# KiCad board Quiver_PT3_Main_PCB.kicad_pcb (continued)
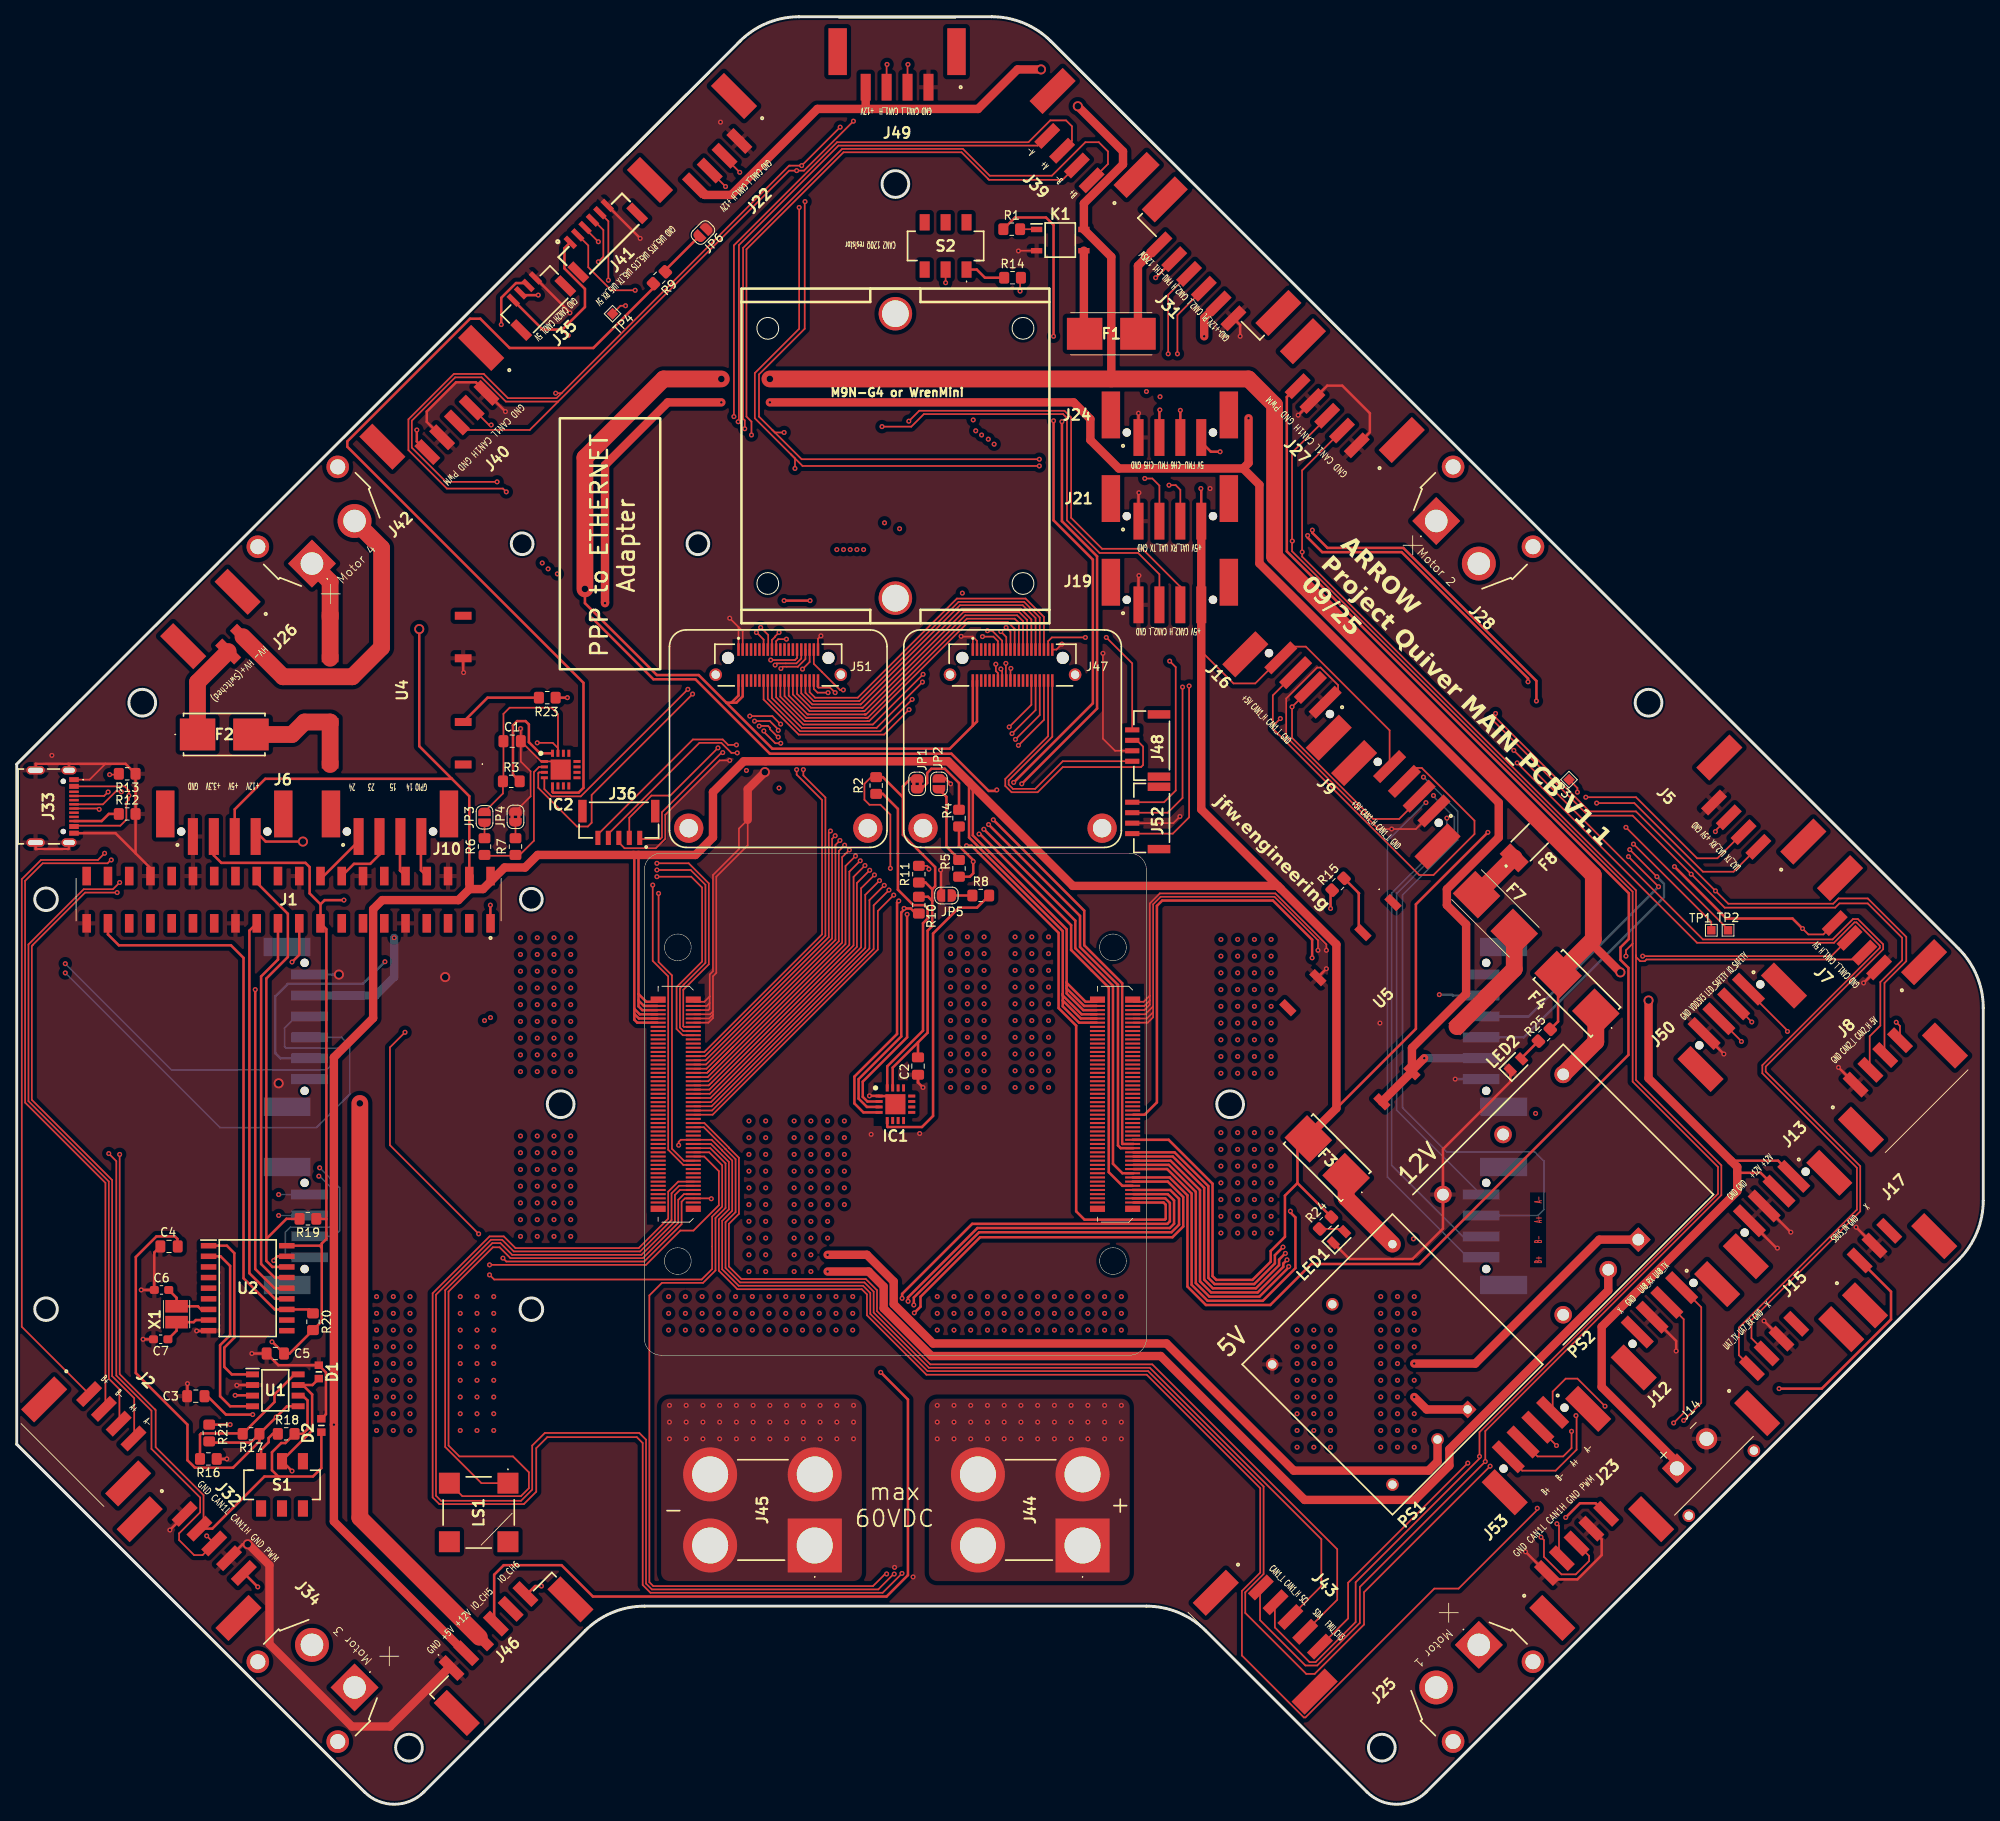
[diagram p0: board, top side]
## Library data of the parts (continued)
J35 J48 J52 = -: Description: JST GH Series, 1.25mm Pitch 4 Way Right Angle PCB Header, Solder Termination, 1A; Mouser Part Number: N/A; Mouser Price/Stock: https://www.mouser.co.uk/ProductDetail/JST-Commercial/SM04B-GHS-TBLFSN?qs=QpmGXVUTftEJzKB1YHGCXw%3D%3D; Manufacturer_Name: JST (JAPAN SOLDERLESS TERMINALS); Manufacturer_Part_Number: SM04B-GHS-TB(LF)(SN)
J36 = -: Datasheet: https://datasheet.datasheetarchive.com/originals/distributors/Datasheets_SAMA/e4ef010dc292ea31091454f6c0afb63a.pdf; Description: JST GH Series, 1.25mm Pitch 5 Way Right Angle PCB Header, Solder Termination, 1A; Mouser Part Number: N/A; Mouser Price/Stock: https://www.mouser.co.uk/ProductDetail/JST-Commercial/SM05B-GHS-TBLFSN?qs=QpmGXVUTftEjojOT4U3d6Q%3D%3D; Manufacturer_Name: JST (JAPAN SOLDERLESS TERMINALS); Manufacturer_Part_Number: SM05B-GHS-TB(LF)(SN)
J41 = -: Datasheet: https://datasheet.datasheetarchive.com/originals/distributors/Datasheets_SAMA/e4ef010dc292ea31091454f6c0afb63a.pdf; Description: GH 1.25mm header side entry 6 way JST GH Series, 1.25mm Pitch 6 Way Right Angle PCB Header, Solder Termination, 1A; Mouser Part Number: N/A; Mouser Price/Stock: https://www.mouser.co.uk/ProductDetail/JST-Commercial/SM06B-GHS-TBLFSN?qs=QpmGXVUTftFzTQe43vH9Ig%3D%3D; Manufacturer_Name: JST (JAPAN SOLDERLESS TERMINALS); Manufacturer_Part_Number: SM06B-GHS-TB(LF)(SN)
J44 J45 = -: Datasheet: https://www.anytek.com.cn/Upload/AMT45003DB-91619770b633481b851135e6d1c1bd28.pdf?fbclid=IwZXh0bgNhZW0CMTEAAR79c1L2mcDs0CoZcBK-E5qsXP_d4Rg51Jntg6nmOemahYpdb-XkfpxHXOJxjQ_aem_dlgVXcx349YY-XU5LhBCmA; Description: Terminals Current (A) : 150AScrew : M5Torque : 15 lbf.in BrassTerminal Part+Steel Nut (plating : matte tin)Pin out :  4PINMount Type : DIP; Height: 10.4; Mouser Part Number: 523-AMT0450003DB000G; Mouser Price/Stock: https://www.mouser.co.uk/ProductDetail/Amphenol-Anytek/AMT0450003DB0000G?qs=ST9lo4GX8V2tfjjMM7mX%252Bw%3D%3D; Manufacturer_Name: Amphenol
J47 J51 = -: Datasheet: http://suddendocs.samtec.com/prints/lshm-1xx-xx.x-xxx-dv-a-x-x-xx-mkt.pdf; Description: 40 Position, 0.50 mm Razor Beam&trade; High-Speed Hermaphroditic Terminal/Socket Strip; Mouser Part Number: 200-LSHM1202.5LDVASK; Mouser Price/Stock: https://www.mouser.co.uk/ProductDetail/Samtec/LSHM-120-02.5-L-DV-A-S-K-TR?qs=PB6%2FjmICvI06Gdv948IynQ%3D%3D; Manufacturer_Name: SAMTEC; Manufacturer_Part_Number: LSHM-120-02.5-L-DV-A-S-K-TR; MF: BotBlox; Description_1: 4 PORT 1G ETHERNET SWITCH MODULE; Package: None; Price: None; SnapEDA_Link: https://www.snapeda.com/parts/BB-GGN-A-1/Botblox/view-part/?ref=snap; MP: BB-GGN-A-1; Availability: In Stock; Check_prices: https://www.snapeda.com/parts/BB-GGN-A-1/Botblox/view-part/?ref=eda
JP1 JP4 = -: Description: Solder Jumper, 2-pole, closed/bridged; ki_fp_filters: SolderJumper*Bridged*
JP2 JP3 JP5 JP6 = -: Description: Solder Jumper, 2-pole, open; ki_fp_filters: SolderJumper*Open*
K1 = -: Description: SPST-NO Solid State Relay Solder 1 A, 750 mA dc Surface Mount, AC/DC MOSFET; Height: 2.184; Mouser Part Number: 849-CPC1019N; Mouser Price/Stock: https://www.mouser.co.uk/ProductDetail/IXYS-Integrated-Circuits/CPC1019N?qs=OpMkDkHXivODOFSk3K4MqQ%3D%3D; Manufacturer_Name: LITTELFUSE
LED1 LED2 = -: Datasheet: https://componentsearchengine.com/Datasheets/1/APT2012LVBC_D.pdf; Description: Standard LEDs - SMD 2.0X1.2MM LOW CRNT; Height: 0.85; Mouser Part Number: 604-APT2012LVBCD; Mouser Price/Stock: https://www.mouser.co.uk/ProductDetail/Kingbright/APT2012LVBC-D?qs=6oMev5NRZMGErJYT6KZLXg%3D%3D; Manufacturer_Name: Kingbright; Manufacturer_Part_Number: APT2012LVBC/D
LS1 = -: Datasheet: https://www.sameskydevices.com/product/resource/cmt-8530s-smt-tr.pdf; Description: 8.5 mm, 3.6 Vo-p, 90 dB, Surface Mount (SMT), Magnetic Audio Transducer Buzzer; Height: 3.5; Mouser Part Number: 490-CMT-8530S-SMT-TR; Mouser Price/Stock: https://www.mouser.co.uk/ProductDetail/Same-Sky/CMT-8530S-SMT-TR?qs=qCxwlXJ4fnxl6A4lXsnRBQ%3D%3D; Manufacturer_Name: Same Sky
PS1 = -: Datasheet: https://recom-power.com/pdf/Econoline/REC20K-Z.pdf; Description: 20W DC/DC-Converter \'ECONOLINE\' 1"x1" 2kV reg 4:1; Manufacturer_Name: RECOM Power
PS2 = -: Datasheet: https://recom-power.com/pdf/Econoline/REC30K(-Z).pdf; Description: 30W DC/DC-Converter \'ECONOLINE\' 1"x1" 2kV reg 4:1; Manufacturer_Name: RECOM Power
R1-R6 R15 R23 = -: Description: Resistor; ki_fp_filters: R_*
R7 = -: Description: Resistor; ALTIUM_VALUE: 0R; MFR: Yageo; MPN: RC0805FR-070RL; SUPPLIER: Mouser; SUPPLIER PART NUMBER: 603-RC0805FR-070RL; PRICE: 0.1; ki_fp_filters: R_*
R8 R10 R11 = -: Description: Resistor; ALTIUM_VALUE: 10K; MFR: Yageo; MPN: RC0805FR-0710KL; SUPPLIER: Mouser; SUPPLIER PART NUMBER: 603-RC0805FR-0710KL; PRICE: 0.1; ki_fp_filters: R_*
R9 R14 R18 = -: Description: Resistor; ALTIUM_VALUE: 120; MFR: Yageo; MPN: RC0805FR-07120RL; SUPPLIER: Mouser; SUPPLIER PART NUMBER: 603-RC0805FR-07120RL; PRICE: 0.1; ki_fp_filters: R_*
R12 R13 R24 R25 = -: Description: Resistor, small symbol; ki_fp_filters: R_*
R16 = -: Description: Resistor; MFR: Yageo; MPN: RC0805FR-070RL; SUPPLIER: Mouser; SUPPLIER PART NUMBER: 603-RC0805FR-070RL; PRICE: 0.1; ki_fp_filters: R_*
R17 R19-R21 = -: Description: Resistor; MFR: Yageo; MPN: RC0805FR-0710KL; SUPPLIER: Mouser; SUPPLIER PART NUMBER: 603-RC0805FR-0710KL; PRICE: 0.1; ki_fp_filters: R_*
S1 S2 = -: Datasheet: https://www.sameskydevices.com/product/resource/supplyframepdf/slw-913535-2a-smt.pdf; Description: 9.1 x 3.5 x 3.5 mm, 2 mm Raised Slide Actuator, Vertical, Surface Mount, Slide Switch; SUPPLIER PART NUMBER: 179-SLW-913535-2ASMT; MFR: CUI Devices; SUPPLIER: Mouser; Height: 5.9; Mouser Part Number: 179-SLW-913535-2ASMT; Mouser Price/Stock: https://www.mouser.co.uk/ProductDetail/Same-Sky/SLW-913535-2A-SMT?qs=1Kr7Jg1SGW948I6fIY1VRA%3D%3D; Manufacturer_Name: Same Sky
TP1-TP4 = -: Description: test point; ki_fp_filters: Pin* Test*
U1 = -: Datasheet: http://www.nxp.com/docs/en/data-sheet/TJA1049.pdf; Description: NXP - TJA1049T/3J - CAN TRANSCEIVER, AEC-Q100, 5MBPS, SOIC-8; SUPPLIER: Mouser; ALTIUM_VALUE: 771-TJA1049T/3J; SUPPLIER PART NUMBER: 771-TJA1049T/3J; MFR: NXP; Height: 1.75; Mouser Part Number: 771-TJA1049T/3J; Mouser Price/Stock: https://www.mouser.co.uk/ProductDetail/NXP-Semiconductors/TJA1049T-3J?qs=y2kkmE52mdONKmiKlplrdw%3D%3D; Manufacturer_Name: NXP
U2 = -: Datasheet: https://datasheet.datasheetarchive.com/originals/distributors/Datasheets-34/DSA-675138.pdf; Description: CAN Controller SPI data filtering SO18; SUPPLIER: Mouser; MFR: Microchip; SUPPLIER PART NUMBER: 579-MCP2515-I/SO; Height: 2.65; Mouser Part Number: 579-MCP2515-I/SO; Mouser Price/Stock: https://www.mouser.co.uk/ProductDetail/Microchip-Technology/MCP2515-I-SO?qs=KwArPi4cUogGDbGnphOvtQ%3D%3D; Manufacturer_Name: Microchip
U4 U5 = -: Datasheet: https://componentsearchengine.com/Datasheets/1/CPC1907B.pdf; Description: IXYS +/-6 A dc SPNO Solid State Relay, DC, Surface Mount MOSFET; Height: 3.556; Mouser Part Number: 849-CPC1907B; Mouser Price/Stock: https://www.mouser.co.uk/ProductDetail/IXYS-Integrated-Circuits/CPC1907B?qs=MxzUEhdSHRZ7Y3dH8lafpQ%3D%3D; Manufacturer_Name: LITTELFUSE
X1 = -: Datasheet: https://datasheet.datasheetarchive.com/originals/distributors/DKDS-17/332078.pdf; Description: NDK 16MHz Crystal Unit +/-50ppm SMD 2-Pin 3.2 x 2.5 x 0.75mm; SUPPLIER PART NUMBER: 344-NX3225GB16MSTRA2; SUPPLIER: Mouser; MFR: NDK; MPN: NX3225GB-16M-STD-CRA-2; Mouser Part Number: 344-NX3225GB16MSTRA2; Mouser Price/Stock: https://www.mouser.co.uk/ProductDetail/NDK/NX3225GB-16M-STD-CRA-2?qs=w%2Fv1CP2dgqqz6Fo69dRGLg%3D%3D; Manufacturer_Name: NDK; Manufacturer_Part_Number: NX3225GB-16M-STD-CRA-2

## Footprints (pads in the part's own frame, mm; a bottom-side part is the same pattern mirrored in y, then rotated)
1812L010DR
  rect 1.78x3.15 smd: 1(-2.615,0) 2(2.615,0)
0154002DR
  rect 4.24x3.81 smd: 1(-3.185,0) 2(3.185,0)
0154005DR
  rect 4.24x3.81 smd: 1(-3.19,0) 2(3.19,0)
1778719
  rect 2.2x5.6 smd: (-7.05,0) (7.05,0)
  round 1 hole 1 unplated: (-5.15,-2.1) (5.15,-2.1)
  rect 1.2x4.4 smd: 1(-3.75,-2.7) 2(-1.25,-2.7) 3(1.25,-2.7) 4(3.75,-2.7)
1778735
  rect 2.2x5.6 smd: (-9.55,2.7) (9.55,2.7)
  round 1 hole 1 unplated: (-7.65,0.6) (7.65,0.6)
  rect 1.2x4.4 smd: 1(-6.25,0) 2(-3.75,0) 3(-1.25,0) 4(1.25,0) 5(3.75,0) 6(6.25,0)
1814919
  rect 2.2x5.6 smd: (-4.6,-4.25) (4.6,-4.25)
  rect 1.2x3.2 smd: 1(-1.25,0) 2(1.25,0)
1814922
  rect 2.2x5.6 smd: (-5.85,-4.25) (5.85,-4.25)
  rect 1.2x3.2 smd: 1(-2.5,0) 2(0,0) 3(2.5,0)
1814935
  rect 2.2x5.6 smd: (-7.1,-4.25) (7.1,-4.25)
  rect 1.2x3.2 smd: 1(-3.75,0) 2(-1.25,0) 3(1.25,0) 4(3.75,0)
1814935#2
  rect 2.2x5.6 smd: (-7.1,-4.25) (7.1,-4.25)
  rect 1.2x3.2 smd: 1(-3.75,0) 2(-1.25,0) 3(1.25,0) 4(3.75,0)
1814948
  rect 2.2x5.6 smd: (-8.35,-4.25) (8.35,-4.25)
  rect 1.2x3.2 smd: 1(-5,0) 2(-2.5,0) 3(0,0) 4(2.5,0) 5(5,0)
1814951
  rect 2.2x5.6 smd: (-9.6,-1.1) (9.6,-1.1)
  rect 1.2x3.2 smd: 1(-6.25,3.15) 2(-3.75,3.15) 3(-1.25,3.15) 4(1.25,3.15) 5(3.75,3.15) 6(6.25,3.15)
AMT0450003DB0000G
  round 6.45 hole 4.3: 1(0,12.5) 1(8.5,12.5) 1(8.5,0)
  rect 6.45x6.45 hole 4.3: 1(0,0)
AXK6S00547YG
  rect 0.75x1.8 smd: 1(-12.5,2.1) 2(-12.5,-2.1) 99(12.5,2.1) 100(12.5,-2.1)
  rect 0.25x1.8 smd: 3(-11.75,2.1) 4(-11.75,-2.1) 5(-11.25,2.1) 6(-11.25,-2.1) 7(-10.75,2.1) 8(-10.75,-2.1) 9(-10.25,2.1) 10(-10.25,-2.1) 11(-9.75,2.1) 12(-9.75,-2.1) 13(-9.25,2.1) 14(-9.25,-2.1) 15(-8.75,2.1) 16(-8.75,-2.1) 17(-8.25,2.1) 18(-8.25,-2.1) 19(-7.75,2.1) 20(-7.75,-2.1) 21(-7.25,2.1) 22(-7.25,-2.1) 23(-6.75,2.1) 24(-6.75,-2.1) 25(-6.25,2.1) 26(-6.25,-2.1) 27(-5.75,2.1) 28(-5.75,-2.1) 29(-5.25,2.1) 30(-5.25,-2.1) 31(-4.75,2.1) 32(-4.75,-2.1) 33(-4.25,2.1) 34(-4.25,-2.1) 35(-3.75,2.1) 36(-3.75,-2.1) 37(-3.25,2.1) 38(-3.25,-2.1) 39(-2.75,2.1) 40(-2.75,-2.1) 41(-2.25,2.1) 42(-2.25,-2.1) 43(-1.75,2.1) 44(-1.75,-2.1) 45(-1.25,2.1) 46(-1.25,-2.1) 47(-0.75,2.1) 48(-0.75,-2.1) 49(-0.25,2.1) 50(-0.25,-2.1) 51(0.25,2.1) 52(0.25,-2.1) 53(0.75,2.1) 54(0.75,-2.1) 55(1.25,2.1) 56(1.25,-2.1) 57(1.75,2.1) 58(1.75,-2.1) 59(2.25,2.1) 60(2.25,-2.1) 61(2.75,2.1) 62(2.75,-2.1) 63(3.25,2.1) 64(3.25,-2.1) 65(3.75,2.1) 66(3.75,-2.1) 67(4.25,2.1) 68(4.25,-2.1) 69(4.75,2.1) 70(4.75,-2.1) 71(5.25,2.1) 72(5.25,-2.1) 73(5.75,2.1) 74(5.75,-2.1) 75(6.25,2.1) 76(6.25,-2.1) 77(6.75,2.1) 78(6.75,-2.1) 79(7.25,2.1) 80(7.25,-2.1) 81(7.75,2.1) 82(7.75,-2.1) 83(8.25,2.1) 84(8.25,-2.1) 85(8.75,2.1) 86(8.75,-2.1) 87(9.25,2.1) 88(9.25,-2.1) 89(9.75,2.1) 90(9.75,-2.1) 91(10.25,2.1) 92(10.25,-2.1) 93(10.75,2.1) 94(10.75,-2.1) 95(11.25,2.1) 96(11.25,-2.1) 97(11.75,2.1) 98(11.75,-2.1)
C_0603_1608Metric_Pad1.08x0.95mm_HandSolder
  rrect 1.075x0.95 smd: 1(-0.863,0) 2(0.863,0)
C_0805_2012Metric_Pad1.18x1.45mm_HandSolder
  rrect 1.175x1.45 smd: 1(-1.038,0) 2(1.038,0)
CMT8530SSMTTR
  rect 2.5x2.5 smd: 1(3.5,-3.5) 2(3.5,3.5) 3(-3.5,3.5) 4(-3.5,-3.5)
CPC1907B
  rect 0.95x2 smd: 1(-8.89,-7.95) 2(-3.81,-7.95) 3(3.81,-7.95) 4(8.89,-7.95) 5(8.89,7.95) 6(3.81,7.95) 7(-3.81,7.95) 8(-8.89,7.95)
DIONC1608X55N
  rect 0.9x1 smd: 1(-0.8,0) 2(0.8,0)
GIGABLOX_NANO_SWITCH_REVA_MODULE_LSHM-120-02.5-L-DV-A-S-K-TR
  round 1.45 hole 1.45 unplated: (-6,0.85) (6,0.85)
  rect 0.3x1.5 smd: 1(-4.75,1.85) 2(-4.75,-1.85) 3(-4.25,1.85) 4(-4.25,-1.85) 5(-3.75,1.85) 6(-3.75,-1.85) 7(-3.25,1.85) 8(-3.25,-1.85) 9(-2.75,1.85) 10(-2.75,-1.85) 11(-2.25,1.85) 12(-2.25,-1.85) 13(-1.75,1.85) 14(-1.75,-1.85) 15(-1.25,1.85) 16(-1.25,-1.85) 17(-0.75,1.85) 18(-0.75,-1.85) 19(-0.25,1.85) 20(-0.25,-1.85) 21(0.25,1.85) 22(0.25,-1.85) 23(0.75,1.85) 24(0.75,-1.85) 25(1.25,1.85) 26(1.25,-1.85) 27(1.75,1.85) 28(1.75,-1.85) 29(2.25,1.85) 30(2.25,-1.85) 31(2.75,1.85) 32(2.75,-1.85) 33(3.25,1.85) 34(3.25,-1.85) 35(3.75,1.85) 36(3.75,-1.85) 37(4.25,1.85) 38(4.25,-1.85) 39(4.75,1.85) 40(4.75,-1.85)
  round 3.5 hole 2.2: MH1(-10.7,-19.5) MH2(10.7,-19.5)
  round 1.5 hole 1: S1(7.475,-1.15) S2(-7.475,-1.15)
LEDC2012X85N
  rect 0.9x1.4 smd: 1(-0.95,0) 2(0.95,0)
M9N-G4-3100
  round 4 hole 3.2: 1(0,17) 1(0,-17)
NX3225GD-STD-CRA-3
  rect 1.5x2.7 smd: 1(-0.95,0) 2(0.95,0)
QFN65P400X400X90-17N
  rect 0.85x0.35 smd: 1(-1.95,0.975) 2(-1.95,0.325) 3(-1.95,-0.325) 4(-1.95,-0.975) 9(1.95,-0.975) 10(1.95,-0.325) 11(1.95,0.325) 12(1.95,0.975)
  rect 0.35x0.85 smd: 5(-0.975,-1.95) 6(-0.325,-1.95) 7(0.325,-1.95) 8(0.975,-1.95) 13(0.975,1.95) 14(0.325,1.95) 15(-0.325,1.95) 16(-0.975,1.95)
  rect 2.4x2.4 smd: 17(0,0)
R_0805_2012Metric_Pad1.20x1.40mm_HandSolder
  rrect 1.2x1.4 smd: 1(-1,0) 2(1,0)
REC20K
  rect 1.5x1.5 hole 1: 1(0,0)
  round 1.5 hole 1: 2(0,5.08) 3(0,12.7) 4(20.32,12.7) 5(20.32,2.54) 6(20.32,-7.62)
REC30K
  rect 2.1x2.1 hole 1.4: 1(0,0)
  round 2.1 hole 1.4: 2(0,5.08) 3(0,12.7) 4(20.32,12.7) 5(20.32,2.54) 6(20.32,-7.62)
SLW9135352ASMT
  rect 1.2x1.95 smd: 1(-2.5,2.825) 2(0,2.825) 3(2.5,2.825) 4(-2.5,-2.825) 5(0,-2.825) 6(2.5,-2.825)
SM04B-GHS-TB
  rect 0.6x1.7 smd: 1(-1.875,0.2) 2(-0.625,0.2) 3(0.625,0.2) 4(1.875,0.2)
  rect 1x2.7 smd: MP(-3.725,-3) MP(3.725,-3)
SM05B-GHS-TB
  rect 0.6x1.7 smd: 1(-2.5,0.2) 2(-1.25,0.2) 3(0,0.2) 4(1.25,0.2) 5(2.5,0.2)
  rect 1x2.7 smd: MP(-4.35,-3) MP(4.35,-3)
SM06B-GHS-TB
  rect 0.6x1.7 smd: 1(2.25,4.3) 2(3.5,4.3) 3(4.75,4.3) 4(6,4.3) 5(7.25,4.3) 6(8.5,4.3)
  rect 1x2.7 smd: MP(0.4,1.1) MP(10.35,1.1)
SOIC127P600X175-8N
  rect 1.55x0.7 smd: 1(-2.725,1.905) 2(-2.725,0.635) 3(-2.725,-0.635) 4(-2.725,-1.905) 5(2.725,-1.905) 6(2.725,-0.635) 7(2.725,0.635) 8(2.725,1.905)
SOIC127P1030X265-18N
  rect 1.85x0.65 smd: 1(-4.675,5.08) 2(-4.675,3.81) 3(-4.675,2.54) 4(-4.675,1.27) 5(-4.675,0) 6(-4.675,-1.27) 7(-4.675,-2.54) 8(-4.675,-3.81) 9(-4.675,-5.08) 10(4.675,-5.08) 11(4.675,-3.81) 12(4.675,-2.54) 13(4.675,-1.27) 14(4.675,0) 15(4.675,1.27) 16(4.675,2.54) 17(4.675,3.81) 18(4.675,5.08)
SolderJumper-2_P1.3mm_Bridged2Bar_RoundedPad1.0x1.5mm
  custom 1x1.5 smd: 1(-0.65,0) 2(0.65,0)
SolderJumper-2_P1.3mm_Open_RoundedPad1.0x1.5mm
  custom 1x1.5 smd: 1(-0.65,0) 2(0.65,0)
SolderJumper-2_P1.3mm_Open_RoundedPad1.0x1.5mm#2
  custom 1x1.5 smd: 1(-0.65,0) 2(0.65,0)
SOP254P610X218-4N
  rect 1.35x0.65 smd: 1(-2.825,1.27) 2(-2.825,-1.27) 3(2.825,-1.27) 4(2.825,1.27)
SSM-120-XXX-DV
  rect 1.02x2.22 smd: 1(24.13,-2.825) 2(24.13,2.825) 3(21.59,-2.825) 4(21.59,2.825) 5(19.05,-2.825) 6(19.05,2.825) 7(16.51,-2.825) 8(16.51,2.825) 9(13.97,-2.825) 10(13.97,2.825) 11(11.43,-2.825) 12(11.43,2.825) 13(8.89,-2.825) 14(8.89,2.825) 15(6.35,-2.825) 16(6.35,2.825) 17(3.81,-2.825) 18(3.81,2.825) 19(1.27,-2.825) 20(1.27,2.825) 21(-1.27,-2.825) 22(-1.27,2.825) 23(-3.81,-2.825) 24(-3.81,2.825) 25(-6.35,-2.825) 26(-6.35,2.825) 27(-8.89,-2.825) 28(-8.89,2.825) 29(-11.43,-2.825) 30(-11.43,2.825) 31(-13.97,-2.825) 32(-13.97,2.825) 33(-16.51,-2.825) 34(-16.51,2.825) 35(-19.05,-2.825) 36(-19.05,2.825) 37(-21.59,-2.825) 38(-21.59,2.825) 39(-24.13,-2.825) 40(-24.13,2.825)
TestPoint_Pad_1.0x1.0mm
  rect 1x1 smd: 1(0,0)
USB421603A
  round 0.65 hole 0.65 unplated: (-3,2.063) (3,2.063)
  rect 0.6x1.15 smd: A1(-3.2,3.338) A4(-2.4,3.338) B1(3.2,3.338) B4(2.4,3.338)
  rect 0.3x1.15 smd: A5(-1.25,3.338) A6(-0.25,3.338) A7(0.25,3.338) A8(1.25,3.338) B5(1.75,3.338) B6(0.75,3.338) B7(-0.75,3.338) B8(-1.75,3.338)
  oval 1x1.8 hole 0.6x1.4: G1(-4.32,2.75) G2(4.32,2.75)
  oval 1x2.2 hole 0.6x1.8: G3(4.32,-1.25) G4(-4.32,-1.25)
XT30PW-F_AMASS_XT30PW-F
  round 2.55 hole 1.7: N(-2.5,-5)
  rect 2.55x2.55 hole 1.7: P(2.5,-5)
  round 1.508 hole 1: S1(5.5,0) S2(-5.5,0)
XT60PWF
  rect 4.05x4.05 hole 2.7: 1(-3.6,-5.975)
  round 4.05 hole 2.7: 2(3.6,-5.975)
  round 2.7 hole 1.8: 3(-6.75,0.025) 4(6.75,0.025)

## Nets
+3.3V: C4.1 C5.2 J1.1 J1.17 J6.2 R17.1 R19.1 R20.2 R21.2 U1.5 U2.18
+5V: C3.2 F3.2 J1.2 J1.4 J3.2 J3.4 J3.6 J3.8 J3.10 J3.12 J4.2 J4.4 J4.6 J4.8 J4.10 J4.12 J4.67 J5.3 J6.3 J7.4 J8.4 J9.4 J16.4 J19.4 J21.4 J24.4 J35.1 J41.1 J46.2 R24.1 U1.3
+12V: F4.2 F8.2 J6.4 J13.1 J13.2 J14.P J22.4 J46.3 J47.2 J47.4 J49.4 J51.2 J51.4 K1.4 R25.1
+12V_PL: J29.2 J30.2 J31.2 U5.5 U5.6
/12VSW: F1.2 J31.6
/VBUS: J3.13 J33.A4 J33.B4
/VDD_3V3_SPEKTRUM: J4.61
/VDD_5V_GPS1: J3.63
/VDD_5V_GPS2: J3.81
/VDD_5V_I2C: J3.57
/VDD_5V_PPM_SBUS: J4.53
/VDD_5V_TEL1: J3.19
GND: C1.2 C2.2 C3.1 C4.2 C5.1 C6.1 C7.1 D1.2 D2.2 IC1.1 IC1.17 IC2.1 IC2.17 J1.6 J1.9 J1.14 J1.20 J1.25 J1.30 J1.34 J1.39 J3.1 J3.3 J3.5 J3.7 J3.9 J3.11 J4.1 J4.3 J4.5 J4.7 J4.9 J4.11 J5.4 J6.1 J7.1 J8.1 J9.1 J12.3 J13.3 J13.4 J14.N J15.3 J16.1 J17.2 J19.1 J21.1 J22.1 J23.1 J23.4 J24.1 J27.1 J27.4 J29.1 J30.1 J31.1 J32.1 J32.4 J33.A1 J33.B1 J33.G1 J33.G2 J33.G3 J33.G4 J35.4 J36.3 J40.1 J40.4 J41.6 J46.1 J47.1 J47.3 J47.39 J48.2 J49.1 J50.4 J51.1 J51.3 J51.39 J52.2 JP2.2 JP4.2 JP5.1 JP6.1 K1.2 LED1.1 LED2.1 PS1.4 PS2.4 R12.2 R13.1 R16.1 U1.2 U2.9 U4.3 U5.3
/ I2C2_SDA_GPS2_MAG_LED: J3.83
/BAT1_I: J4.20
/BAT1_V: J4.18
/BAT2_I: J4.16
/BAT2_V: J4.14
/BUZZER+: J3.91 LS1.1
/BUZZER-: J3.93 LS1.2
/CAN2_H: J3.55 J8.3 J19.3 J29.4 J30.4 J31.4 J35.3 S2.2
/CAN2_L: J3.53 J8.2 J19.2 J29.3 J30.3 J31.3 J35.2 R14.2
/FMU_CH1: J4.69 J31.5
/FMU_CH2: J4.71 R1.1
/FMU_CH3: J4.73 J43.5
/FMU_CH4: J4.75 R15.1
/FMU_CH5: J4.77 J24.2
/FMU_CH6: J4.79 J24.3
/FMU_CH7: J4.81 J29.5
/FMU_CH8: J4.83 J30.5
/HV+: J25.1 J28.1 J34.1 J42.1 J44.1 PS1.1 PS2.1 U4.5 U4.6
/HV-: J25.2 J26.1 J28.2 J34.2 J42.2 J45.1 PS1.2 PS2.2
/I2C1_SCL_GPS1_MAG_LED: IC1.3 IC2.3 J3.75 R10.2
/I2C1_SDA_GPS1_MAG_LED: IC1.4 IC2.4 J3.73 R11.2
/I2C2_SCL: J3.61 J43.3
/I2C2_SCL_GPS2_MAG_LED: J3.85
/I2C2_SDA: J3.59 J43.4
/IO_CH1: J4.85 J27.5
/IO_CH2: J4.87 J32.5
/IO_CH3: J4.89 J40.5
/IO_CH4: J4.91 J23.5
/IO_CH5: J4.93 J46.4
/IO_CH6: J4.95 J46.6
/IO_CH7: J4.97 R23.2
/IO_CH8: J4.99
/IO_PPM_INPUT_AND_SBUS_INPUT: J4.55 J17.1
/IO_RSSI_IN_AND_SBUS_OUT: J4.57
/IO_SAFETY_SWITCH_IN: J3.71 J50.1
/IO_VDD_3V3: C1.1 C2.1 IC1.15 IC2.15 J3.67 J3.95 J50.3 JP1.2 JP3.2 R2.1 R3.1 R10.1 R11.1
/N_IO_LED_SAFETY: J3.69 J50.2
/SPEKTRUM_DSM_IN: J4.59
/UART5_CTS_TEL2: J3.33 J41.4
/UART5_RTS_TEL2: J3.31 J41.5
/UART5_RX_TEL2: J3.35 J41.2
/UART5_TX_TEL2: J3.37 J41.3
/UART7_CTS_TEL1: J3.23
/UART7_RTS_TEL1: J3.21
/UART7_RX_TEL1: J3.25 J15.2
/UART7_TX_TEL1: J3.27 J15.1
/UART8_RX_GPS2: J3.87 J12.2
/UART8_TX_GPS2: J3.89 J12.1
/USART1_RX_GPS1: J3.77 J21.3
/USART1_TX_GPS1: J3.79 J21.2
/USART2_RX_TEL3: J3.41 J5.2
/USART2_TX_TEL3: J3.43 J5.1
/USB_D+: J3.17 J33.A6
/USB_D-: J3.15 J33.A7
CAN1_H: D1.1 J3.49 J7.3 J9.3 J16.3 J22.3 J23.3 J27.3 J32.3 J40.3 J43.2 J49.3 S1.2 U1.7
CAN1_L: D2.1 J3.47 J7.2 J9.2 J16.2 J22.2 J23.2 J27.2 J32.2 J40.2 J43.1 J49.2 R18.2 U1.6
ETH1_0A+: J36.4 J47.36
ETH1_0A-: J36.5 J47.34
ETH1_0B+: J36.1 J47.32
ETH1_0B-: J36.2 J47.30
ETH1_2A+: J39.3 J47.19
ETH1_2A-: J39.4 J47.17
ETH1_2B+: J39.1 J47.15
ETH1_2B-: J39.2 J47.13
ETH1_3A+: J37.3 J47.20
ETH1_3A-: J37.4 J47.18
ETH1_3B+: J37.1 J47.16
ETH1_3B-: J37.2 J47.14
ETH2_1A+: J38.3 J51.35
ETH2_1A-: J38.4 J51.33
ETH2_1B+: J38.1 J51.31
ETH2_1B-: J38.2 J51.29
ETH2_2A+: J2.3 J51.19
ETH2_2A-: J2.4 J51.17
ETH2_2B+: J2.1 J51.15
ETH2_2B-: J2.2 J51.13
ETH2_3A+: J51.20 J53.3
ETH2_3A-: J51.18 J53.4
ETH2_3B+: J51.16 J53.1
ETH2_3B-: J51.14 J53.2
GPIO_26_CS: J1.37 R20.1 U2.12
SPI_CE0: J1.24 R19.2 U2.16
SPI_MISO: J1.21 U2.15
SPI_MOSI: J1.19 U2.14
SPI_SCLK: J1.23 U2.13
Net-(F2-Pad1): F2.1 J26.2
Net-(F7-Pad2): F7.2 F8.1
Net-(IC1-CSB): IC1.2 R4.1 R5.1
Net-(IC1-PS): IC1.16 R2.2
Net-(IC1-SDO): IC1.5 R8.2
Net-(IC2-CSB): IC2.2 R6.1 R7.1
Net-(IC2-PS): IC2.16 R3.2
Net-(IC2-SDO): IC2.5 R9.2
Net-(J1-GPIO14(TXD)): J1.8 J10.4
Net-(J1-GPIO15(RXD)): J1.10 J10.3
Net-(J1-GPIO23): J1.16 J10.2
Net-(J1-GPIO24): J1.18 J10.1
Net-(J3-Pad29): J3.29 TP4.1
Net-(J3-Pad39): J3.39 TP3.1
Net-(J3-Pad45): J3.45 TP2.1
Net-(J3-Pad51): J3.51 TP1.1
Net-(J33-CC1): J33.A5 R13.2
Net-(J33-CC2): J33.B5 R12.1
Net-(J47-+3V3): J47.40 J48.1
Net-(J47-P1A_N): J47.33 J51.34
Net-(J47-P1A_P): J47.35 J51.36
Net-(J47-P1B_N): J47.29 J51.30
Net-(J47-P1B_P): J47.31 J51.32
Net-(J47-P1C_N): J47.25 J51.26
Net-(J47-P1C_P): J47.27 J51.28
Net-(J47-P1D_N): J47.21 J51.22
Net-(J47-P1D_P): J47.23 J51.24
Net-(J47-SCK): J47.37 J48.4
Net-(J47-SDA): J47.38 J48.3
Net-(J51-+3V3): J51.40 J52.1
Net-(J51-SCK): J51.37 J52.4
Net-(J51-SDA): J51.38 J52.3
Net-(JP1-A): JP1.1 R4.2
Net-(JP2-A): JP2.1 R5.2
Net-(JP3-A): JP3.1 R6.2
Net-(JP4-A): JP4.1 R7.2
Net-(JP5-B): JP5.2 R8.1
Net-(JP6-B): JP6.2 R9.1
Net-(K1-+CONTROL): K1.1 R1.2
Net-(K1-LOAD_1): F1.1 K1.3
Net-(LED1-A): LED1.2 R24.2
Net-(LED2-A): LED2.2 R25.2
Net-(PS1-+VOUT): F3.1 PS1.6
Net-(PS2-+VOUT): F4.1 PS2.6
Net-(S1-NC_1): R18.1 S1.1
Net-(S2-NC_1): R14.1 S2.1
Net-(U1-RX): U1.4 U2.2
Net-(U1-STB): R16.2 R17.2 U1.8
Net-(U1-TX): U1.1 U2.1
Net-(U2-OSC1): C7.2 U2.8 X1.1
Net-(U2-OSC2): C6.2 U2.7 X1.2
Net-(U2-~{RESET~{}}): R21.1 U2.17
Net-(U4-+LED): R23.1 U4.2
Net-(U4-D2_1): F2.2 U4.7 U4.8
Net-(U5-+LED): R15.2 U5.2
Net-(U5-D2_1): F7.1 U5.7 U5.8

Pads without a net: IC1 6 7 8 9 10 11 12 13 14; IC2 6 7 8 9 10 11 12 13 14; J1 3 5 7 11 12 13 15 22 26 27 28 29 31 32 33 35 36 38 40; J3 14 16 18 20 22 24 26 28 30 32 34 36 38 40 42 44 46 48 50 52 54 56 58 60 62 64 65 66 68 70 72 74 76 78 80 82 84 86 88 90 92 94 96 97 98 99 100; J4 13 15 17 19 21 22 23 24 25 26 27 28 29 30 31 32 33 34 35 36 37 38 39 40 41 42 43 44 45 46 47 48 49 50 51 52 54 56 58 60 62 63 64 65 66 68 70 72 74 76 78 80 82 84 86 88 90 92 94 96 98 100; J11 1; J12 4; J14 S1 S2; J15 4; J17 3; J25 3 4; J28 3 4; J29 6; J30 6; J33 A8 B6 B7 B8; J34 3 4; J35 MP; J36 MP; J41 MP; J42 3 4; J46 5; J47 5 6 7 8 9 10 11 12 22 24 26 28 MH1 MH2 S1 S2; J48 MP; J51 5 6 7 8 9 10 11 12 21 23 25 27 MH1 MH2 S1 S2; J52 MP; LS1 3 4; PS1 3 5; PS2 3 5; S1 3 4 5 6; S2 3 4 5 6; U2 3 4 5 6 10 11; U4 1 4; U5 1 4

## Via types
v1: diameter 0.6, hole 0.3, Top to Bottom, 820 vias
v2: diameter 1.2, hole 0.8, Top to Bottom, 15 vias

## Routing (per net, layer and track width the routed paths; a pad name or vN(x,y) marks a point on that pad's centre or on a via; arc(x,y) is an arc through that point)
+3.3V: length 173.3
  Top w0.3: J1.1 56.6,105.33 v1(56.6,107.48) ; 36.3,107.58 35,108.88 35,112.04 34.5,112.53 24.45,112.53 23.55,113.43 J6.2 ; 36.3,107.58 36.8,108.08 v1(39.1,108.08) ; 36.3,107.58 J1.17 37,104.61 37,69.98 ; 30.54,55.28 v1(30.5,55.28) 30.5,55.32 C5.2 32.6,53.88 R20.2 36.45,57.73 36.45,66.53 ; R17.1 v1(31,46.28) 32.3,47.58 U1.5 ; R17.1 29,43.38 25.85,40.23 21.29,40.23 20.4,41.13 20.4,45.38 14.23,51.55 14.23,65.42 16.69,67.88 18.9,67.88 19.2,67.58 19.2,66.56 19.24,66.52 C4.1 ; R17.1 27.95,43.23 23.15,43.23 R21.2 ; 36.45,66.53 36.45,67.03 37,67.58 37,69.98 ; 36.45,66.53 36.21,66.77 32.28,66.77 ; 37,69.98 R19.1
  In1.Cu w0.3: v1(30.5,55.28) 30.5,46.78 v1(31,46.28)
  In2.Cu w0.3: v1(39.1,108.08) 56,108.08 v1(56.6,107.48)
+5V: length 828.5
  Top w0.2: v1(202.99,116.27) 202.99,116.38 J5.3 ; J7.4 215.9,103.98 214.1,103.98 v1(213.4,104.68) ; J19.4 141.55,137.83 145.4,133.98 148,133.98 151.06,137.04 J16.4 152.4,138.38 154.05,138.38 164.06,128.38 J9.4 ; v1(224.6,93.48) 225.05,93.03 J8.4
  Top w0.3: 125.47,97.88 125.47,97.52 127.55,95.43 129.05,95.43 ; 125.47,97.88 125.47,98.28 ; 125.47,97.88 125.47,96.92 127.45,94.93 129.05,94.93 ; 125.47,98.28 125.47,104.6 114.25,115.81 114.25,121.73 ; 125.47,98.28 125.47,98.19 127.72,95.93 129.05,95.93 ; 52,122.58 48.1,126.48 v2(48.1,140.48) ; 52,122.58 29.7,122.58 26.05,118.93 J6.3 ; 52,122.58 54.08,120.5 J1.4 ; v1(141.5,157.28) 141.55,157.23 J21.4 ; 153.04,74.25 153.04,78.24 F3.2 ; 153.04,74.25 R24.1 156.96,70.19 ; 153.04,74.25 151.55,72.76 151.55,67.83 149.85,66.13 149.85,64.86 147.67,62.68 143.35,62.68 142.9,63.13 142.9,74.18 137.65,79.43 J4.67 ; 73.8,95.08 73.8,113.38 73.7,113.48 ; 73.8,95.08 74.45,94.43 76.55,94.43 ; 73.8,95.08 73.8,94.48 ; 74.3,96.08 74.95,95.43 76.55,95.43 ; 74.3,96.08 74.3,95.38 74.75,94.93 76.55,94.93 ; 74.3,96.08 74.3,96.86 ; 65.2,176.28 62.85,176.28 J35.1 ; 65.2,176.28 67.9,178.98 67.9,181.14 65.45,183.6 65.45,186.01 J41.1 ; 65.2,176.28 v1(65.9,175.58) ; 76.55,93.93 74.35,93.93 73.8,94.48 ; 125,96.08 125,96.88 ; 125,96.08 127.15,93.93 129.05,93.93 ; 125,96.08 125,95.38 126.95,93.43 129.05,93.43 ; 125,96.88 125,96.68 127.25,94.43 129.05,94.43 ; 125,96.88 125,104.38 113.8,115.58 113.8,122.18 113.75,122.23 ; 74.3,96.86 75.22,95.93 76.55,95.93 ; 74.3,96.86 74.3,113.48 ; 28.17,48.85 28.14,48.88 v1(26.1,48.88) 26.06,48.85 ; C3.2 22.8,48.78 25,46.58 v1(28.2,46.58) ; J24.4 141.55,162.83 142.7,161.68 v1(143.8,161.68) ; v1(198.1,112.08) 204.3,105.88 212.2,105.88 v1(213.4,104.68) ; 76.55,93.43 74.15,93.43 73.8,93.78 73.8,94.48 ; v1(175.8,116.18) 167.2,107.58 167.2,92.69 157.7,83.19
  Top w1: 54.1,109.4 55.72,109.4 58.3,111.98 60.75,111.98 62.25,113.48 81.1,113.48 83.2,115.58 83.2,121 86.88,124.68 111.3,124.68 126.2,109.78 150.7,109.78 151.05,109.43 ; 54.1,109.4 54.1,110.94 J1.4 ; 54.1,109.4 52.78,108.08 43.68,108.08 42.59,107 42.59,93.98 37.9,89.29 v1(37.9,45.38) 37.9,33.81 53.52,18.2 ; J21.4 J19.4 141.55,118.93 151.05,109.43 ; 151.05,109.43 157.7,102.78 157.7,83.19 154.34,79.84 F3.2
  In1.Cu w0.3: v1(37.9,45.38) 29.4,45.38 v1(28.2,46.58) 26,48.78 v1(26.1,48.88)
  In2.Cu w0.2: v1(202.99,116.27) 213.4,105.86 v1(213.4,104.68) 213.4,104.63 224.55,93.48 v1(224.6,93.48)
  In2.Cu w0.3: v2(48.1,140.48) 48.1,144.48 65.9,162.28 v1(65.9,175.58) ; v1(175.8,116.18) 175.85,116.13 194.05,116.13 v1(198.1,112.08)
  In3.Cu w0.3: v1(141.5,157.28) 141.5,157.88 143.8,160.18 v1(143.8,161.68)
+12V: length 656.6
  Top w0.3: 85.4,131.68 86.25,132.53 J51.2 ; 85.4,131.68 84.8,131.68 ; 85.4,131.68 86,131.68 86.75,132.43 J51.4 ; 210.59,73.49 J13.2 208.4,75.48 205.6,75.48 ; 114.25,128.93 114.75,129.43 J47.4 ; 114.25,128.93 111.5,126.18 90.3,126.18 84.8,131.68 ; 114.25,128.93 J47.2 ; R25.1 184.19,93.57 F4.2 ; 84.8,131.68 81.5,134.98 76.5,134.98 67.9,143.58 v2(67.9,145.28) ; v2(34.2,115.08) 29.75,115.08 29.15,115.68 J6.4 ; J13.1 210.48,76.93 204.85,76.93 ; 188.4,102.18 188.4,103.41
  Top w1: 101.5,202.66 95.68,202.66 85.4,192.38 82.2,192.38 J22.4 ; 101.5,202.66 101.45,202.71 J49.4 ; 101.5,202.66 114.88,202.66 119.6,207.38 v2(122.4,207.38) ; 130.8,170.38 130.8,184.98 K1.4 127.53,191.37 132.2,196.04 132.2,197.58 v2(126.8,202.98) ; v2(195,96.08) 195,86.78 205.6,76.18 205.6,73.28 189.4,57.08 189.4,49.88 198.4,40.89 J14.P ; 188.4,103.41 188.4,102.68 v2(191.64,99.45)
  Top w2: v2(90,170.38) 147.2,170.38 150.31,167.27 150.31,149.17 F8.2 188.4,111.08 188.4,103.41 F4.2 ; v2(67.9,145.28) 67.9,160.98 77.3,170.38 v2(84.2,170.38) ; v2(41,83.78) 41,34.25 55.28,19.97
  In1.Cu w2: v2(90,170.38) v2(84.2,170.38) ; v2(41,83.78) 41.3,84.08 41.3,119.2 67.38,145.28 v2(67.9,145.28)
  In2.Cu w0.3: v2(34.2,115.08) 63,143.88 66.5,143.88 v2(67.9,145.28)
  In2.Cu w1: v2(195,96.08) v2(191.64,99.45) ; v2(126.8,202.98) v2(122.4,207.38)
+12V_PL: length 295.8
  Top w1: 146.55,159.68 131.7,159.68 128.3,163.08 128.3,165.58 126.3,167.58 v1(90,167.58) ; 146.55,159.68 147.2,160.33 v1(147.2,165.68) ; 146.55,159.68 148.5,157.73 148.5,148.33 177.1,119.73 177.1,115.58 170.9,109.38 170.9,107.48 173.2,105.18 173.2,96.88 166.73,90.41 U5.6 ; v1(70.3,143.58) 70.3,160.08 77.8,167.58 v1(84.2,167.58) ; J31.2 141.9,177.68 v1(141.9,175.48) ; v1(168.2,89.18) 166.73,87.71 U5.6 ; U5.6 U5.5
  In1.Cu w1: v1(147.2,165.68) 147.2,170.18 v1(141.9,175.48) ; v1(70.3,143.58) 68.4,143.58 45.1,120.28 v1(45.1,103.58) ; v1(90,167.58) v1(84.2,167.58)
  Bottom w1: J30.2 42.9,96.68 45.1,98.88 v1(45.1,103.58) ; v1(168.2,89.18) J29.2
/12VSW: length 11.8
  Top w1: J31.6 133.99,183.91 F1.2
/VBUS: length 151.6
  Top w0.2: 80.95,92.93 79.72,92.93 79.65,93.01 79.65,97.36 82.7,100.41 82.7,110.08 80.3,112.48 v1(76.5,112.48) ; J33.A4 12.9,121.68 13.4,121.18 v1(13.4,120.58) 13.4,120.08 13.1,119.78 13.1,117.7 12.38,116.98 6.94,116.98 J33.B4
  In1.Cu w0.2: v1(62.8,148.38) 69.6,148.38 72.8,145.18 72.8,113.98 74.3,112.48 v1(76.5,112.48)
  In2.Cu w0.2: v1(13.4,120.58) 35,120.58 v1(62.8,148.38)
GND: length 553.5
  Top w0.2: 135.4,96.66 134.68,95.93 133.45,95.93 ; 135.4,96.66 135.4,96.08 ; 135.4,96.66 135.4,107.68 136.6,108.88 150.4,108.88 156.5,102.78 v1(156.5,102.08) ; K1.2 119.73,185.71 v1(119.7,185.68) ; v1(139,118.08) 138.2,117.28 J52.2 ; J33.G1 6.25,124.32 6.19,124.38 ; J47.3 114.75,139.08 114.25,139.58 ; 82.81,96.57 82.18,95.93 80.95,95.93 ; 82.81,96.57 82.8,96.56 82.8,95.78 ; 82.81,96.57 82.81,99.2 83.2,99.58 83.2,111.08 86.3,114.18 86.3,116.63 87.35,117.68 87.35,114.63 83.6,110.88 83.6,99.38 83.2,98.98 83.2,94.78 ; 133.45,93.93 135.05,93.93 135.8,94.68 ; J47.39 124.25,138.03 v1(124.9,138.68) ; 135.8,94.68 135.8,94.08 135.15,93.43 133.45,93.43 ; 135.8,94.68 135.8,95.38 ; 135.8,95.38 135.8,107.58 136.7,108.48 150.3,108.48 155.5,103.28 v1(155.5,102.08) ; 135.8,95.38 134.85,94.43 133.45,94.43 ; J36.3 71.95,114.97 72.64,114.28 76.37,114.28 77.5,115.42 77.5,118.28 84,124.78 v1(85.2,124.78) ; 86.25,140.73 v1(85.2,141.78) ; 86.25,140.73 J51.1 ; 86.25,140.73 86.75,140.23 J51.3 ; C1.2 60.24,128.55 v1(60.2,128.58) ; C1.2 62.66,124.66 IC2.1 64.03,124.66 IC2.17 ; C1.2 60.24,124.65 61.4,123.48 61.4,120.48 JP4.2 ; 80.95,93.43 82.65,93.43 83.2,93.98 83.2,94.38 ; 83.2,94.78 83.2,94.38 ; 83.2,94.78 82.85,94.43 80.95,94.43 ; 82.8,95.78 82.45,95.43 80.95,95.43 ; 82.8,95.78 82.8,95.08 82.65,94.93 80.95,94.93 ; 135.4,96.08 134.75,95.43 133.45,95.43 ; 135.4,96.08 135.4,95.58 134.75,94.93 133.45,94.93 ; 114.25,139.58 112.9,139.58 112.87,139.62 v1(112.85,139.62) ; 114.25,139.58 J47.1 ; 83.2,94.38 82.75,93.93 80.95,93.93 ; 10.6,124.38 8.7,122.48 J33.A1 ; J33.G2 6.25,114.25 6.19,114.19 ; J16.1 157.9,133.28 157.9,133.78 155.8,135.88 155.4,135.88 151.7,132.18 151.7,127.62 162.73,116.58 v1(164.3,116.58) 167.2,116.58 169.36,118.74 J9.1 ; J48.2 131.25,125.93 129.8,127.38 v1(129.8,137.58) ; J51.39 95.75,139.33 v1(96.1,139.68)
  Top w0.3: v1(153.13,166.05) J27.4 154.83,167.81 156.6,169.58 158.4,169.58 161.7,166.28 161.7,164.01 J27.1 ; v1(58.4,166.48) 56.16,168.72 J40.1 54.87,169.98 52.5,169.98 49,166.48 49,165.25 J40.4 ; v1(156.5,99.88) 155.48,98.87 U5.3 ; J8.1 219.75,86.03 v1(217.7,88.08) ; v1(53.4,135.28) 53.35,135.33 U4.3 ; C2.2 107.7,86.28 v1(108.3,85.68) ; U2.9 22.89,56.58 v1(21.5,56.58) ; 6.19,114.19 2.26,114.19 2.26,114.95 J33.G3 ; D2.2 36.95,46.63 36.95,51.63 D1.2 31.26,52.48 C5.1 v1(28.1,53.88) ; 14.2,113.68 11.8,116.08 J33.B1 ; 14.2,113.68 16,111.88 ; 14.2,113.68 R12.2 R13.1 13,124.38 2.26,124.38 2.26,123.62 J33.G4 ; v1(26.3,50.08) 26.33,50.12 U1.2 ; J50.4 201.64,92.04 v1(204,89.68) ; J7.1 222.55,100.03 v1(220.7,98.18) ; J13.4 207.05,69.73 210.3,66.48 v1(210.4,66.48) ; J15.3 210.88,55.7 v1(208.8,57.78) ; J17.2 v1(219.8,68.98) ; C7.1 v1(15.1,55.58) ; v1(101.9,84.68) 103.03,84.68 IC1.1 104.03,84.66 ; v1(18.3,32.78) 20.06,34.55 J32.1 ; LED1.1 159.26,65.18 166.8,65.18 170.43,68.81 PS2.4 170.43,78.31 178.48,86.36 LED2.1 ; v1(134.1,146.88) 134.05,146.83 J19.1 ; v1(134.1,156.78) 134.05,156.73 J21.1 ; C4.2 16.44,65.96 C6.1 ; v1(212,68.38) 208.86,71.52 J13.3 ; v1(180.3,30.18) 182.84,27.65 J23.1 183.63,26.88 186.5,26.88 189.4,29.78 189.4,31.68 188.31,32.78 188.31,32.81 J23.4 ; v1(66.1,178.28) 66.1,178.33 J35.4 ; J12.3 195.46,58.22 198.3,55.38 v1(198.3,54.18) ; v1(110.4,111.68) 110.45,111.63 JP5.1 ; v1(14.88,61.48) 16.32,61.48 ; v2(27.6,31.08) 27,31.08 25.37,29.45 J32.4 ; v1(111.6,121.98) 110.95,122.63 JP2.2 ; v1(146.2,175.48) 146.2,176.83 J31.1 ; J41.6 74.5,187.2 v1(74.5,187.18) ; C3.1 20.4,48.82 v1(20.4,50.28) ; R16.1 v1(25.1,41.28) ; v1(134.05,166.28) J24.1
  Top w1: v2(27.6,31.08) 27.7,31.08 30.2,28.58 30.2,19.15 40.05,9.3 44.62,9.3 51.75,16.43 ; v2(89.4,123.38) 87.35,121.33 87.35,117.68 ; J22.1 86.45,198.93
  In2.Cu w0.2: v1(4.2,125.38) 4.03,125.38 J33.G4
  Bottom w0.3: J30.1 v2(38.5,99.18) ; v1(171.9,86.68) J29.1
  vias: v1(84.1,201.08) v1(102.1,80.08) v1(104.9,28.32) v1(107.11,27.18) v1(107.9,80.18) v1(142.6,157.28) v1(162.9,93.38) v2(31.3,86.18) v2(51.2,98.88)
/BUZZER+: length 65.7
  Top w0.2: 80.95,73.43 79.25,73.43 78.65,72.83 78.65,69.68 74.66,65.68 59.2,65.68 57.8,67.08 56.83,67.08 51.2,61.45 51.2,42.72 55.53,38.38 LS1.1
/BUZZER-: length 78.6
  Top w0.2: LS1.2 53.25,36.83 60.25,36.83 61.2,37.78 61.2,39.68 59.3,41.58 52.9,41.58 51.6,42.88 51.6,61.28 56.9,66.58 57.7,66.58 59,65.28 74.82,65.28 79.05,69.51 79.05,72.26 79.72,72.93 80.95,72.93
